# Altium PCB Communication_Subsystem_ATmega2560AU.PcbDoc (part 1 of 2) (continued)
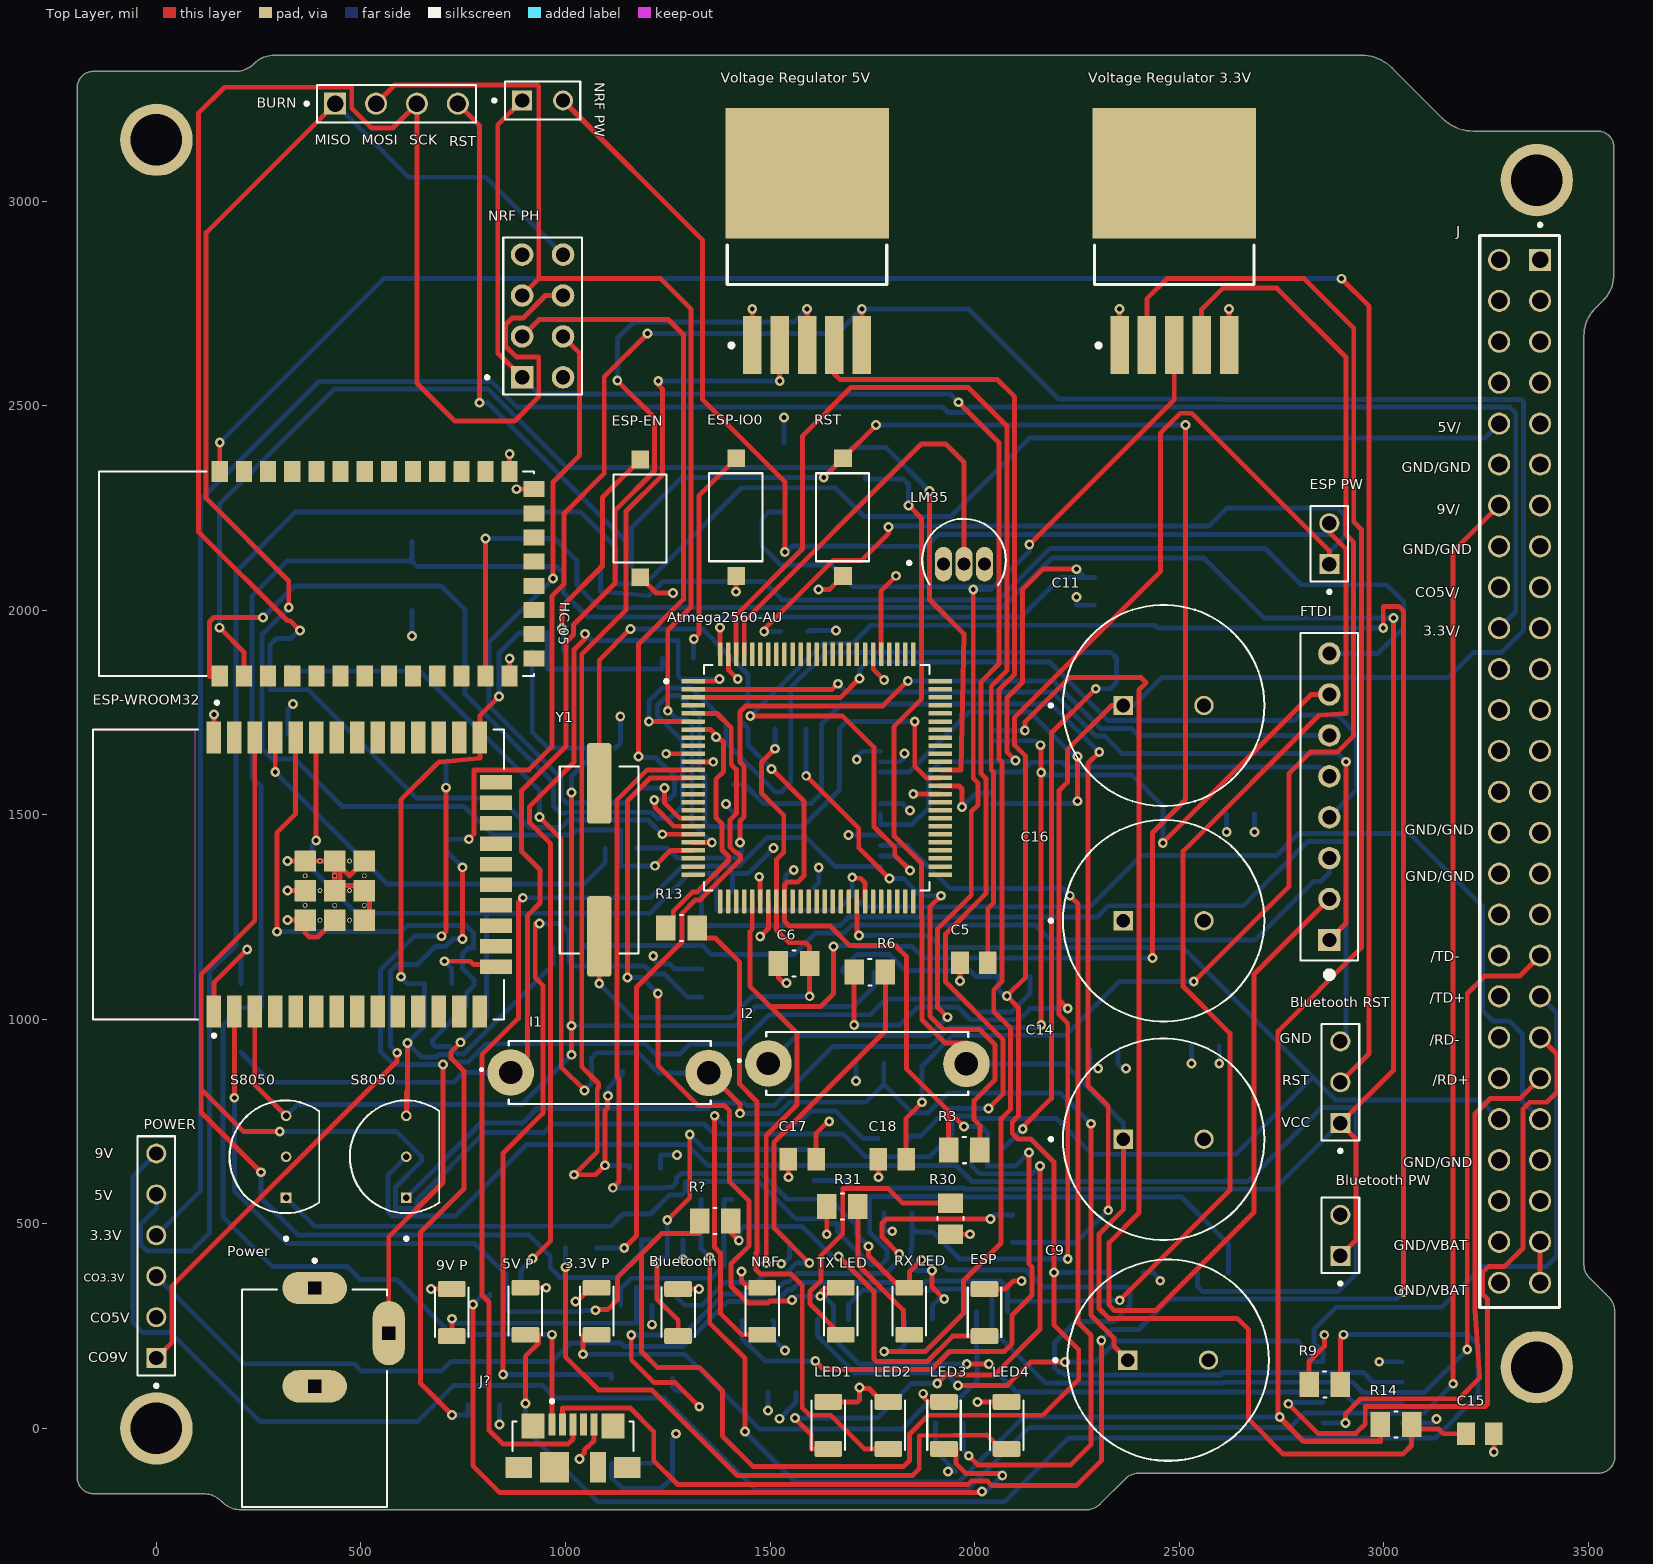
[diagram p0: Top Layer view]
## Components (designator, comment, footprint, x,y, rotation, side; value= is the part's Value field where it differs from the comment) (continued)
BURN "4 Position PinHeader 1Row" TE_3-644456-4 437,3238 r0 top
C4 "(1206) 22pF" CAPC3216X125N0 1124,2110 r180 bottom
C5 "(0805) 100nF" CAPC2012X95N-0 1998,1138 r0 top
C6 "(1206) 22pF" CAPC3216X125N0 1558,1138 r0 top
C7 "(1206) 22pF" CAPC3216X125N0 1469,266 r180 bottom
C8 "(0805) 100nF" CAPC2012X95N-0 1572,1321 r180 bottom
C9 "330uF" CAPPRD500W60D1250H2500 2473,167 r0 top
C10 "(0805) 1uF" CAPC2012X95N-0 1744,893 r180 bottom
C11 "220uF" CAPPRD500W60D1250H2500 2462,1767 r0 top
C12 "(0805) 1uF" CAPC2012X95N-0 1812.69,526.18 r180 bottom
C13 "(0805) 1uF" CAPC2012X95N-0 1863,267 r180 bottom
C14 "330uF" CAPPRD500W60D1250H2500 2462,707 r0 top
C15 "(0805) 1uF" CAPC2012X95N-0 3235,-13 r0 top
C16 "220uF" CAPPRD500W60D1250H2500 2462,1241 r0 top
C17 "(0805) 1uF" CAPC2012X95N-0 1578.69,658.18 r0 top
C18 "(0805) 1uF" CAPC2012X95N-0 1798.69,658.18 r0 top
C70 "(0805) 10nF" CAPC2012X95N-0 2293,2046 r90 bottom
C71 "(0805) 100nF" CAPC2012X95N-0 1938.02,13 r180 bottom
C? "Cap_CER_1U_10V_0603" "0603 - cap" 1121.93,1663 r180 bottom
C? "Cap_CER_1U_10V_0603" "0603 - cap" 1592.93,1948 r180 bottom
C? "(0805) 100nF" CAPC2012X95N-0 1529.02,88 r180 bottom
C? "(0805) 100nF" CAPC2012X95N-0 2316.02,924 r180 bottom
C? "(0805) 100nF" CAPC2012X95N-0 2650,1502 r180 bottom
C? "Cap_CER_1U_10V_0603" "0603 - cap" 722,1087 r180 bottom
C? "Cap_CER_1U_10V_0603" "0603 - cap" 2413,381 r180 bottom
C? "(0805) 100nF" CAPC2012X95N-0 2564,936 r180 bottom
D1 "SMD Schottky diode 5A/40V" DIOM5227X270N 322,1780 r90 bottom
D2 "SMD Schottky diode 5A/40V" DIOM5227X270N 708,1545.25 r90 bottom
D3 "SMD Schottky diode 5A/40V" DIOM5227X270N 207,1003 r90 bottom
D4 "SMD Schottky diode 5A/40V" DIOM5227X270N 1733,2241 r90 bottom
D5 "SMD Schottky diode 5A/40V" DIOM5227X270N 1534,2324 r90 bottom
D7 "SMD Schottky diode 5A/40V" DIOM5227X270N 625,2084 r90 bottom
ESP "(1206) YELLOW" RESC3015X65-01 2024,284 r90 top
"ESP PW" "2 Position PinHeader" TE_2-103327-2 2867.71,2160.78 r90 top
ESP-EN "Tact-Switch" "Tact Switch" 1183,2080.6 r90 top
ESP-IO0 "Tact-Switch" "Tact Switch" 1417.15,2083.6 r90 top
ESP-WROOM32 "ESP32-WROOM-32" MODULE_ESP32-WROOM-32 347.72,1354 r90 top
FTDI "8 Position PinHeader 1Row" TE_5-534237-6 2867,1544 r90 top
FTDI232RL "IC_FT232RL" SSOP-28 1906,1540 r180 bottom
HC-05 "HC-05" XCVR_HC-05 404,2089 r90 top
I1 "47uH" IND 1067.2,2725 r0 top
I2 "47uH" IND 1697.09,2747 r0 top
J "52 Position Elevated Socket Connector" SAMTEC_ESQ-126-39-G-D 3382.01,2855.98 r90 top locked
J? "USB Connectors MICRO USB B" MOLEX_47346-0001 1018.28,-95 r0 top
LED1 "(1206) Yellow" RESC3015X65-01 1641.91,8.21 r90 top
LED2 "(1206) Yellow" RESC3015X65-01 1789,8.21 r90 top
LED3 "(1206) Green" RESC3015X65-01 1925,8.21 r90 top
LED4 "(1206) Green" RESC3015X65-01 2077.86,8.21 r90 top
LM35 "Temperature Sensor" TO92127P521H735-4 1974,2143 r0 top
NRF "(1206) YELLOW" RESC3015X65-01 1481,287.25 r90 top
"NRF PH" "8 Position PinHeader 2Row" TE_8-146256-8 944,2719 r90 top locked
"NRF PW" "2 Position PinHeader" TE_2-103327-2 942.29,3245 r0 top
POWER "6 Position PinHeader 1Row" TE_6-146285-6 0,172.02 r90 top
Power "Power Socket" GRAVITECH_CON-SOCJ-2155 387,103 r90 top
R1 "(1206) 10K" CAPC3216X125N0 1509.91,452 r180 bottom
R2 "(1206) 510K" CAPC3216X125N0 1550.91,1711 r180 bottom
R3 "(1206) 510K" CAPC3216X125N0 1974,682 r0 top
R4 "(1206) 10K" CAPC3216X125N0 1250,462 r180 bottom
R5 "(1206) 10K" CAPC3216X125N0 801,59 r180 bottom
R6 "(1206) 300" CAPC3216X125N0 1743,1117 r0 top
R7 "(1206) 120" CAPC3216X125N0 1654.6,268.18 r180 bottom
R8 "(1206) 10K" CAPC3216X125N0 1102,876 r180 bottom
R9 "(1206) 150" CAPC3216X125N0 2855,109 r0 top
R10 "(1206) 85" CAPC3216X125N0 2043,288 r180 bottom
R11 "(1206) 3.3K" CAPC3216X125N0 1194.91,638 r180 bottom
R12 "(1206) 150" CAPC3216X125N0 2031,687 r180 bottom
R13 "(1206) 150" CAPC3216X125N0 1283,1225 r0 top
R14 "(1206) 10K" CAPC3216X125N0 3029,12 r0 top
R15 "(1206) 150" CAPC3216X125N0 853.84,330.87 r180 bottom
R16 "(1206) 5.6K" CAPC3216X125N0 1370,562 r180 bottom
R17 "(1206) 150" CAPC3216X125N0 1038.6,443.18 r180 bottom
R18 "(1206) 330" CAPC3216X125N0 1174,303 r180 bottom
R21 "(1206) 65" CAPC3216X125N0 1802.6,710.18 r180 bottom
R22 "(1206) 150" CAPC3216X125N0 1609,643 r90 bottom
R25 "(0805) 100K" CAPC2012X95N-0 1333,1089 r90 bottom
R26 "(0805) 1K" CAPC2012X95N-0 2093,488 r90 bottom
R27 "(0805) 1K" CAPC2012X95N-0 1410,1540 r90 bottom
R30 "(1206) 150" CAPC3216X125N0 1939,512 r90 top
R31 "(1206) 85" CAPC3216X125N0 1676.02,544 r0 top
R35 "(1206) 10K" CAPC3216X125N0 1371,1314 r180 bottom
R? "(1206) 65" CAPC3216X125N0 1365,509 r0 top
R? "(1206) 12K" CAPC3216X125N0 2583.59,382.87 r180 bottom
R? "(1206) 220" CAPC3216X125N0 957.59,1901.87 r180 bottom
R? "(1206) 10K" CAPC3216X125N0 2097.59,1106.87 r180 bottom
R? "(1206) 470" CAPC3216X125N0 1009,1179 r180 bottom
R? "(1206) 12K" CAPC3216X125N0 2422.59,1480.87 r180 bottom
R? "(1206) 220" CAPC3216X125N0 1275.84,1883.87 r180 bottom
R? "(1206) 10K" CAPC3216X125N0 1717,1117 r180 bottom
R? "(1206) 470" CAPC3216X125N0 1136,1421 r180 bottom
RS "MAX488ESA+" SOIC127P600X175-8N0 2948,88 r180 bottom
RST "Tact-Switch" "Tact Switch" 1678.16,2083.6 r90 top
"RX LED" "(1206) Blue" RESC3015X65-01 1840.39,287.25 r90 top
S8050 "S8050 Transistor" S8050-Transistor 317,614 r90 top
S8050 "S8050 Transistor" S8050-Transistor 611,614 r90 top
"TX LED" "(1206) Green" RESC3015X65-01 1673,287.25 r90 top
"Voltage Regulator 3.3V" "Voltage Regulator" TO-263-5 2488,2902 r90 top
"Voltage Regulator 5V" "Voltage Regulator" TO-263-5 1590.38,2902 r90 top
"Voltage-Current Sensor" "MAX471 IC" SOIC127P600X168-8N 1187,18.54 r90 bottom
Y1 "16MHz" XTAL1140X490X430N-0 1084,1390 r90 top

## Footprints (in the part's own frame and the unit in brackets; to place one, negate y for a bottom-side part, rotate by r counter-clockwise, add the part's x,y. Pads: shape width x height; smd on the part's side, far side on the other; paste and mask are expansions set on the pad)
"0603 - cap" [mm]
  rect 1.2x1.1 smd: 1(0,0) 2(1.7,0)
  silkscreen extent 0.84,-0.69 0.84,0.66, body extent 0.04,-0.43 1.64,0.37, height 0.8
CAPC2012X95N-0 [mm]
  rect 1.1x1.38 smd: 1(-0.863,0) 2(0.863,0)
  body extent -1.6,-0.8 1.6,0.8, height 1.2
CAPC3216X125N0 [mm]
  rect 1.21x1.55 smd: 1(-0.95,-0.048) 2(0.987,-0.048)
  silkscreen extent -0.08,-0.86 0.12,0.76, body extent -1.58,-0.84 1.62,0.76, height 1.25
CAPPRD500W60D1250H2500 [mm]
  round 1.2 hole 0.85: N(2.5,0)
  rect 1.2x1.2 hole 0.85: P(-2.5,0)
  silkscreen extent -7.1,-6.25 6.25,6.25, body extent -6.25,-6.25 6.25,6.25, height 25
DIOM5227X270N [mm]
  rect 2.33x1.56 smd: A(2.14,0) C(-2.14,0)
  silkscreen extent -3.85,-1.48 2.8,1.48, body extent -2.6,-1.36 2.6,1.36, height 2.7
GRAVITECH_CON-SOCJ-2155 [mm]
  oval 2x4 hole 0.8 square: 1(6.1,0) 3(0,0)
  oval 4x2 hole 0.8 square: 2(3.3,-4.6)
  silkscreen extent -7.5,-4.5 7.9,4.5, body extent -7.56,-4.57 6.54,4.68, height 11.1
IND [mil]
  round 114 hole 57: 1(-201.2,-1855) 2(282.8,-1856)
  silkscreen extent -275,-1932 288,-1778, body extent -172,-1912 253,-1794, height 118
MODULE_ESP32-WROOM-32 [mm]
  rect 2x0.9 smd: 1(-8.5,5.26) 2(-8.5,3.99) 3(-8.5,2.72) 4(-8.5,1.45) 5(-8.5,0.18) 6(-8.5,-1.09) 7(-8.5,-2.36) 8(-8.5,-3.63) 9(-8.5,-4.9) 10(-8.5,-6.17) 11(-8.5,-7.44) 12(-8.5,-8.71) 13(-8.5,-9.98) 14(-8.5,-11.25) 25(8.5,-11.25) 26(8.5,-9.98) 27(8.5,-8.71) 28(8.5,-7.44) 29(8.5,-6.17) 30(8.5,-4.9) 31(8.5,-3.63) 32(8.5,-2.36) 33(8.5,-1.09) 34(8.5,0.18) 35(8.5,1.45) 36(8.5,2.72) 37(8.5,3.99) 38(8.5,5.26)
  rect 0.9x2 smd: 15(-5.715,-12.25) 16(-4.445,-12.25) 17(-3.175,-12.25) 18(-1.905,-12.25) 19(-0.635,-12.25) 20(0.635,-12.25) 21(1.905,-12.25) 22(3.175,-12.25) 23(4.445,-12.25) 24(5.715,-12.25)
  rect 1.33x1.33 smd: 39_1(-2.835,-0.405) 39_2(-1,-0.405) 39_3(0.835,-0.405) 39_4(-2.835,-2.24) 39_5(-1,-2.24) 39_6(0.835,-2.24) 39_7(-2.835,-4.075) 39_8(-1,-4.075) 39_9(0.835,-4.075)
  round 0.3 hole 0.2: 39_10(-1.918,-0.405) 39_11(-0.083,-0.405) 39_12(-2.835,-1.322) 39_13(-1,-1.322) 39_14(0.835,-1.322) 39_15(-1.918,-2.24) 39_16(-0.083,-2.24) 39_17(-2.835,-3.157) 39_18(-1,-3.157) 39_19(0.835,-3.157) 39_20(-1.918,-4.075) 39_21(-0.083,-4.075)
  Keep-Out Layer region: 9,6.45 -9,6.45 -9,12.75 9,12.75
  Keep-Out Layer region: 9,6.45 -9,6.45 -9,12.75 9,12.75
  silkscreen extent -10.1,-12.75 9,12.75, body extent -9,-12.75 9,12.75, height 3.21
MOLEX_47346-0001 [mm]
  rect 0.45x1.38 smd: 1(-1.3,2.66) 2(-0.65,2.66) 3(0,2.66) 4(0.65,2.66) 5(1.3,2.66)
  rect 1.425x1.55 smd: S1(-2.487,2.575) S2(2.488,2.575)
  rect 1.65x1.3 smd: S3(-3.375,0) S6(3.375,0)
  rect 1.8x1.9 smd: S4(-1.15,0)
  rect 1x1.9 smd: S5(1.55,0)
  silkscreen extent -3.75,1 3.75,4.2, body extent -4.18,-2.54 4.18,2.89, height 2.62
QFP50P1600X1600X120-100N [mm]
  rrect25% 1.47x0.28 smd mask+0.05: 1(-7.67,6) 2(-7.67,5.5) 3(-7.67,5) 4(-7.67,4.5) 5(-7.67,4) 6(-7.67,3.5) 7(-7.67,3) 8(-7.67,2.5) 9(-7.67,2) 10(-7.67,1.5) 11(-7.67,1) 12(-7.67,0.5) 13(-7.67,0) 14(-7.67,-0.5) 15(-7.67,-1) 16(-7.67,-1.5) 17(-7.67,-2) 18(-7.67,-2.5) 19(-7.67,-3) 20(-7.67,-3.5) 21(-7.67,-4) 22(-7.67,-4.5) 23(-7.67,-5) 24(-7.67,-5.5) 25(-7.67,-6) 51(7.67,-6) 52(7.67,-5.5) 53(7.67,-5) 54(7.67,-4.5) 55(7.67,-4) 56(7.67,-3.5) 57(7.67,-3) 58(7.67,-2.5) 59(7.67,-2) 60(7.67,-1.5) 61(7.67,-1) 62(7.67,-0.5) 63(7.67,0) 64(7.67,0.5) 65(7.67,1) 66(7.67,1.5) 67(7.67,2) 68(7.67,2.5) 69(7.67,3) 70(7.67,3.5) 71(7.67,4) 72(7.67,4.5) 73(7.67,5) 74(7.67,5.5) 75(7.67,6)
  rrect25% 0.28x1.47 smd mask+0.05: 26(-6,-7.67) 27(-5.5,-7.67) 28(-5,-7.67) 29(-4.5,-7.67) 30(-4,-7.67) 31(-3.5,-7.67) 32(-3,-7.67) 33(-2.5,-7.67) 34(-2,-7.67) 35(-1.5,-7.67) 36(-1,-7.67) 37(-0.5,-7.67) 38(0,-7.67) 39(0.5,-7.67) 40(1,-7.67) 41(1.5,-7.67) 42(2,-7.67) 43(2.5,-7.67) 44(3,-7.67) 45(3.5,-7.67) 46(4,-7.67) 47(4.5,-7.67) 48(5,-7.67) 49(5.5,-7.67) 50(6,-7.67) 76(6,7.67) 77(5.5,7.67) 78(5,7.67) 79(4.5,7.67) 80(4,7.67) 81(3.5,7.67) 82(3,7.67) 83(2.5,7.67) 84(2,7.67) 85(1.5,7.67) 86(1,7.67) 87(0.5,7.67) 88(0,7.67) 89(-0.5,7.67) 90(-1,7.67) 91(-1.5,7.67) 92(-2,7.67) 93(-2.5,7.67) 94(-3,7.67) 95(-3.5,7.67) 96(-4,7.67) 97(-4.5,7.67) 98(-5,7.67) 99(-5.5,7.67) 100(-6,7.67)
  silkscreen extent -9.44,-7 7,7, body extent -8,-8 8,8, height 1.12
RESC3015X65-01 [mm]
  rrect20% 0.98x1.72 smd: 1(-1.479,-0.004) 2(1.441,-0.004)
  silkscreen extent -1.54,-1.04 1.52,1.04, body extent -1.63,-0.8 1.57,0.8, height 1.1
S8050-Transistor [mil] "NPN Transistor"
  rect 25.91x25.91 hole 15.75: 1(-50,0)
  round 25.91 hole 15.75: 2(50,0) 3(150,0)
  silkscreen extent -154,-81 188,138, body extent -43,-61 146,94, height 226
SAMTEC_ESQ-126-39-G-D [mm]
  rect 1.37x1.37 hole 1.02: 01(0,0)
  round 1.37 hole 1.02: 02(0,2.54) 03(-2.54,0) 04(-2.54,2.54) 05(-5.08,0) 06(-5.08,2.54) 07(-7.62,0) 08(-7.62,2.54) 09(-10.16,0) 10(-10.16,2.54) 11(-12.7,0) 12(-12.7,2.54) 13(-15.24,0) 14(-15.24,2.54) 15(-17.78,0) 16(-17.78,2.54) 17(-20.32,0) 18(-20.32,2.54) 19(-22.86,0) 20(-22.86,2.54) 21(-25.4,0) 22(-25.4,2.54) 23(-27.94,0) 24(-27.94,2.54) 25(-30.48,0) 26(-30.48,2.54) 27(-33.02,0) 28(-33.02,2.54) 29(-35.56,0) 30(-35.56,2.54) 31(-38.1,0) 32(-38.1,2.54) 33(-40.64,0) 34(-40.64,2.54) 35(-43.18,0) 36(-43.18,2.54) 37(-45.72,0) 38(-45.72,2.54) 39(-48.26,0) 40(-48.26,2.54) 41(-50.8,0) 42(-50.8,2.54) 43(-53.34,0) 44(-53.34,2.54) 45(-55.88,0) 46(-55.88,2.54) 47(-58.42,0) 48(-58.42,2.54) 49(-60.96,0) 50(-60.96,2.54) 51(-63.5,0) 52(-63.5,2.54)
  silkscreen extent -65.02,-1.21 2.27,3.75, body extent -65.15,-1.27 1.4,3.81, height 8.51
SOIC127P600X168-8N [mm]
  rrect25% 1.66x0.59 smd: 1(-2.63,1.905) 2(-2.63,0.635) 3(-2.63,-0.635) 4(-2.63,-1.905) 5(2.63,-1.905) 6(2.63,-0.635) 7(2.63,0.635) 8(2.63,1.905)
  rect 2.135x2.135 smd paste-2: 9(0,0)
  silkscreen extent -4.39,-2.52 1.99,2.59, body extent -3,-2.45 3,2.45, height 1.75
SOIC127P600X175-8N0 [mil]
  rect 78x21 smd: 1(-97,75) 2(-97,25) 3(-97,-25) 4(-97,-75) 5(97,-75) 6(97,-25) 7(97,25) 8(97,75)
  silkscreen extent -55,-98 55,98, body extent -124,-97 113,95, height 67
SSOP-28 [mm] "28-Pin SSOP 0.65 mm Pitch"
  oval 2.1x0.4 smd: 1(-3.45,4.225) 2(-3.45,3.575) 3(-3.45,2.925) 4(-3.45,2.275) 5(-3.45,1.625) 6(-3.45,0.975) 7(-3.45,0.325) 8(-3.45,-0.325) 9(-3.45,-0.975) 10(-3.45,-1.625) 11(-3.45,-2.275) 12(-3.45,-2.925) 13(-3.45,-3.575) 14(-3.45,-4.225) 15(3.45,-4.225) 16(3.45,-3.575) 17(3.45,-2.925) 18(3.45,-2.275) 19(3.45,-1.625) 20(3.45,-0.975) 21(3.45,-0.325) 22(3.45,0.325) 23(3.45,0.975) 24(3.45,1.625) 25(3.45,2.275) 26(3.45,2.925) 27(3.45,3.575) 28(3.45,4.225)
  silkscreen extent -3.57,-5.3 2,5.3, body extent -2.7,-5.3 2.7,5.3, height 2
"Tact Switch" [mm] "High Quality 3x6x2.7 mm SMD White Push Button Switch (Tact Switch)"
  rect 1.1x1.1 smd: 1(0,0) 2(7.3,0)
  silkscreen extent 0.91,-1.63 6.38,1.68, body extent -1.35,-1.72 8.62,1.78, height 4
TE_2-103327-2 [mm]
  rect 1.24x1.24 hole 0.89: 1(-1.227,0.018)
  round 1.24 hole 0.89: 2(1.313,0.018)
  silkscreen extent -3.05,-1.15 2.38,1.19, body extent -2.32,-1.11 2.36,1.22, height 5.84
TE_3-103327-3 [mm]
  rect 1.24x1.24 hole 0.89: 1(0,0)
  round 1.24 hole 0.89: 2(2.54,0) 3(5.08,0)
  silkscreen extent -1.82,-1.17 6.15,1.17, body extent -1.31,-1.2 6.31,1.21, height 8.18
TE_3-644456-4 [mm]
  rect 1.37x1.37 hole 1.02: 1(0,0)
  round 1.37 hole 1.02: 2(2.54,0) 3(5.08,0) 4(7.62,0)
  silkscreen extent -1.87,-1.17 8.74,1.17, body extent -1.14,-1.14 8.72,1.19, height 10.03
TE_5-534237-6 [mil]
  rect 54.65x54.65 hole 34.65: 1(-350,0)
  round 54.65 hole 34.65: 2(-250,0) 3(-150,0) 4(-50,0) 5(50,0) 6(150,0) 7(250,0) 8(350,0)
  silkscreen extent -443,-70 400,70, body extent -400,-70 400,70, height 327
TE_6-146285-6 [mm]
  rect 1.24x1.24 hole 0.89: 1(0,0)
  round 1.24 hole 0.89: 2(2.54,0) 3(5.08,0) 4(7.62,0) 5(10.16,0) 6(12.7,0)
  silkscreen extent -1.82,-1.17 13.77,1.17, body extent -1.07,-1.14 13.77,1.14, height 8.1
TE_8-146256-8 [mil]
  rect 55.04x55.04 hole 35.04: 1(-150,50)
  round 55.04 hole 35.04: 2(-50,50) 3(50,50) 4(150,50) 5(-150,-50) 6(-50,-50) 7(50,-50) 8(150,-50)
  silkscreen extent -192,-96 192,139, body extent -200,-101 200,99, height 330
TO92127P521H735-4 [mm]
  oval 1.07x2.14 hole 0.8 mask+0.05: 1(-1.27,-0.775) 2(0,-0.775) 3(1.27,-0.775)
  silkscreen extent -3.5,-2.08 2.6,2.04, body extent -2.4,-2.29 2.39,1.64, height 5.69
TO-263-5 [mm] "D2-PAK, 6-Pads, Body 8,9x9,9mm (max), IPC Low Density"
  rect 3.6x1.15 smd: 1(-6.45,3.4) 2(-6.45,1.7) 3(-6.45,0) 4(-6.45,-1.7) 5(-6.45,-3.4)
  rect 8.1x10.15 smd paste-5: 6(4.2,0)
  silkscreen extent -6.6,-4.95 -0.25,4.95, body extent -7.31,-5.08 7.33,5.08, height 4.57
XCVR_HC-05 [mm]
  rect 1.3x1 smd: 1(-6.35,6.325) 2(-6.35,4.825) 3(-6.35,3.325) 4(-6.35,1.825) 5(-6.35,0.325) 6(-6.35,-1.175) 7(-6.35,-2.675) 8(-6.35,-4.175) 9(-6.35,-5.675) 10(-6.35,-7.175) 11(-6.35,-8.675) 12(-6.35,-10.175) 13(-6.35,-11.675) 22(6.35,-11.675) 23(6.35,-10.175) 24(6.35,-8.675) 25(6.35,-7.175) 26(6.35,-5.675) 27(6.35,-4.175) 28(6.35,-2.675) 29(6.35,-1.175) 30(6.35,0.325) 31(6.35,1.825) 32(6.35,3.325) 33(6.35,4.825) 34(6.35,6.325)
  rect 1x1.3 smd: 14(-5.25,-13.175) 15(-3.75,-13.175) 16(-2.25,-13.175) 17(-0.75,-13.175) 18(0.75,-13.175) 19(2.25,-13.175) 20(3.75,-13.175) 21(5.25,-13.175)
  silkscreen extent -8.1,-13.18 6.35,13.82, body extent -6.5,-13.45 6.5,13.45, height 2.15
XTAL1140X490X430N-0 [mm]
  rrect25% 5.01x1.51 smd: 1(-4.757,0.04) 2(4.743,0.04)
  silkscreen extent -5.81,-2.41 5.79,2.49, body extent -6.62,-2.35 6.58,2.45, height 4.3

## Part data
"3.3V P" "5V P" "9V P" Bluetooth ESP LED1 LED2 LED3 LED4 NRF "RX LED" "TX LED": library part "LED 1206", "LED SMD 1206 High Quality Forward Voltage: 3.2 V / Brightness: 700 mcd", Emitting Color=Amber, Forward Voltage=2V, Manufacturer="Wurth Elektronik", Manufacturer Part Number=150060AS75003, Operating Temperature max.=100C, Operating Temperature min.=-40C, Chip Technology=AlInGaP, ComponentLink1Description="Manufacturer Link", ComponentLink1URL=http://www.we-online.de, ComponentLink2Description=Datasheet, ComponentLink2URL=https://www.we-online.com/catalog/datasheet/150060AS75003.pdf, Dominant Wavelength=605nm, Height=0.7mm, Length=1.6mm, Luminous Intensity=350mcd, Mounting Technology=SMT, Packaging="Tape and Reel", Peak Wavelength=610nm, Size=0603, Viewing Angle=140°, Width=0.8mm
Atmega2560-AU: library part ATMEGA2560-16AU, Package=None, Availability=Unavailable, MP=ATMEGA2560-16AU, Price=None
"Bluetooth PW" "ESP PW" "NRF PW": "Cabezal del conector Agujero pasante 2 posiciones 0,100 (2,54 mm)", Package=None, Availability=Warning, Check_prices=https://www.snapeda.com/parts/4-103327-4/TE%20Connectivity%20AMP%20Connectors/view-part/2403998/?ref=eda, EU_RoHS_Compliance=Compliant, MF="TE Connectivity", MP=4-103327-4, Price=None, Purchase-URL=https://pricing.snapeda.com/search/part/4-103327-4/?ref=eda, SnapEDA_Link=https://www.snapeda.com/parts/4-103327-4/TE%20Connectivity%20AMP%20Connectors/view-part/2403998/?ref=snap
"Bluetooth RST": "Conn Unshrouded Header HDR 3 POS 2.54mm Solder ST Thru-Hole Carton", Package=None, Availability=Unavailable, EU_RoHS_Compliance=Compliant, MF="TE Connectivity", MP=4-103327-5, Price=None, SnapEDA_Link=https://www.snapeda.com/parts/4-103327-5/TE%20Connectivity%20AMP%20Connectors/view-part/2403997/?ref=snap, TE_purchase_URL=https://www.te.com/usa-en/product-4-103327-5.html?te_bu=Cor&te_type=disp&te_campaign=seda_glo_cor-seda-global-disp-prtnr-fy19-seda-model-bom-cta_sma-317_1&elqCampaignId=32493
BURN: "Conn Unshrouded Header HDR 4 POS 2.54mm Solder ST Thru-Hole Bag/Box", Package=None, Availability=Warning, Centerline_Pitch="2.54 mm[.1 in]", DigiKey-Purchase-URL=https://snapeda.com/shop?store=DigiKey&id=482664, EU_RoHS_Compliance=Compliant, MF="TE Connectivity", Mouser-Purchase-URL=https://snapeda.com/shop?store=Mouser&id=482664, MP=3-644456-4, Number_of_Positions=4, Price=None, Product_Type=Connector, SnapEDA_Link=https://www.snapeda.com/parts/3-644456-4/TE%20Connectivity%20AMP%20Connectors/view-part/482664/?ref=snap
C4 C6 C7: library part "Capacitor 1206", "UMF316B7103KFHT/1206 Capacitor", Package=None, Availability=Unavailable, MP=UMF316B7103KFHT, Price=None
C5 C8 C10 C12 C13 C15 C17 C18 C70 C71 C? C? C? C?: library part "Capacitor 0805", "UMK212SD103KD-T/CAP CER 10000PF 50V 0805", Package=None, Availability=Unavailable, MP=UMK212SD103KD-T, Price=None
C9 C11 C14 C16: library part "Aluminum Electrolytic Capacitor", "Aluminum Electrolytic Capacitors - Radial Leaded 47uF 250volts AEC-Q200", Package="RADIAL-2 Panasonic", Availability="In Stock", Check_prices=https://www.snapeda.com/parts/EEUEB2E470B/Panasonic/view-part/?ref=eda, MF=Panasonic, MP=EEUEB2E470B, Price=None, SnapEDA_Link=https://www.snapeda.com/parts/EEUEB2E470B/Panasonic/view-part/?ref=snap
C? C?: library part "Capacitor 0603", "Capacitor", Capacitance=1nF, Manufacturer="Taiyo Yuden", Manufacturer Part Number=LMK107B7105KA-T, Operating Temperature="-55°C ~ 125°C", Package / Case="0603 (1608 Metric)", Ratings=-, Supplier Part Number 1=587-1242-1-ND, Temperature Coefficient=X7R, Tolerance=±10%, Voltage - Rated=10V, Applications="General Purpose", Category=Capacitors, ComponentLink1Description=http://ds.yuden.co.jp/TYCOMPAS/ut/detail.do?productNo=LMK107B7105KA-T&fileName=LMK107B7105KA-T_SS&mode=specSheetDownload, ComponentLink1URL=http://ds.yuden.co.jp/TYCOMPAS/ut/detail.do?productNo=LMK107B7105KA-T&fileName=LMK107B7105KA-T_SS&mode=specSheetDownload, Features=-, Height - Seated (Max)=-, Lead Spacing=-, Lead Style=-, Mounting Type="Surface Mount, MLCC", Packaging="Cut Tape (CT)", Part Status=Active, Pricing 1="1=0.1, 10=0.042, 25=0.0308, 50=0.023, 100=0.0188, 250=0.01576, 500=0.01344, 1000=0.01056 (USD)", RoHS="RoHS Compliant", Size / Dimension="0.063\" L x 0.031\" W (1.60mm x 0.80mm)", Stock 1=600713, Supplier 1=Digi-Key, Thickness (Max)="0.035\" (0.90mm)"
C?: library part "Capacitor 0603", "Capacitor", Capacitance=1µF, Manufacturer="Taiyo Yuden", Manufacturer Part Number=LMK107B7105KA-T, Operating Temperature="-55°C ~ 125°C", Package / Case="0603 (1608 Metric)", Ratings=-, Supplier Part Number 1=587-1242-1-ND, Temperature Coefficient=X7R, Tolerance=±10%, Voltage - Rated=10V, Applications="General Purpose", Category=Capacitors, ComponentLink1Description=http://ds.yuden.co.jp/TYCOMPAS/ut/detail.do?productNo=LMK107B7105KA-T&fileName=LMK107B7105KA-T_SS&mode=specSheetDownload, ComponentLink1URL=http://ds.yuden.co.jp/TYCOMPAS/ut/detail.do?productNo=LMK107B7105KA-T&fileName=LMK107B7105KA-T_SS&mode=specSheetDownload, Features=-, Height - Seated (Max)=-, Lead Spacing=-, Lead Style=-, Mounting Type="Surface Mount, MLCC", Packaging="Cut Tape (CT)", Part Status=Active, Pricing 1="1=0.1, 10=0.042, 25=0.0308, 50=0.023, 100=0.0188, 250=0.01576, 500=0.01344, 1000=0.01056 (USD)", RoHS="RoHS Compliant", Size / Dimension="0.063\" L x 0.031\" W (1.60mm x 0.80mm)", Stock 1=600713, Supplier 1=Digi-Key, Thickness (Max)="0.035\" (0.90mm)"
C?: library part "Capacitor 0603", "Capacitor", Capacitance=10µF, Manufacturer="Taiyo Yuden", Manufacturer Part Number=LMK107B7105KA-T, Operating Temperature="-55°C ~ 125°C", Package / Case="0603 (1608 Metric)", Ratings=-, Supplier Part Number 1=587-1242-1-ND, Temperature Coefficient=X7R, Tolerance=±10%, Voltage - Rated=10V, Applications="General Purpose", Category=Capacitors, ComponentLink1Description=http://ds.yuden.co.jp/TYCOMPAS/ut/detail.do?productNo=LMK107B7105KA-T&fileName=LMK107B7105KA-T_SS&mode=specSheetDownload, ComponentLink1URL=http://ds.yuden.co.jp/TYCOMPAS/ut/detail.do?productNo=LMK107B7105KA-T&fileName=LMK107B7105KA-T_SS&mode=specSheetDownload, Features=-, Height - Seated (Max)=-, Lead Spacing=-, Lead Style=-, Mounting Type="Surface Mount, MLCC", Packaging="Cut Tape (CT)", Part Status=Active, Pricing 1="1=0.1, 10=0.042, 25=0.0308, 50=0.023, 100=0.0188, 250=0.01576, 500=0.01344, 1000=0.01056 (USD)", RoHS="RoHS Compliant", Size / Dimension="0.063\" L x 0.031\" W (1.60mm x 0.80mm)", Stock 1=600713, Supplier 1=Digi-Key, Thickness (Max)="0.035\" (0.90mm)"
D1 D2 D3 D4 D5 D7: "S1 Series 1000 V 1 A 1 uA Surface Mount General Purpose Rectifier - DO-214AC", Package=None, Availability=Unavailable, MP=S1M, Price=None
ESP-EN ESP-IO0 RST: "High Quality 3x6x2.7 mm SMD White Push Button Switch (Tact Switch)", Package=None, Availability=Unavailable, MP=1437566-3, Price=None
ESP-WROOM32: Package=None, Availability=Unavailable, MP=ESP32-WROOM-32, Price=None
FTDI: "Connector Socket Strip Receptacle 8 Position 2.54mm Solder Straight Through Hole", Package=None, Availability="In Stock", Centerline_Pitch=2.54, Check_prices=https://www.snapeda.com/parts/5-534237-6/TE+Connectivity+AMP+Connectors/view-part/?ref=eda, EU_RoHS_Compliance=Compliant, MF="TE Connectivity", MP=5-534237-6, Number_of_Positions=8, Price=None, Product_Type=Connector, Purchase-URL=https://pricing.snapeda.com/search/part/5-534237-6/?ref=eda, SnapEDA_Link=https://www.snapeda.com/parts/5-534237-6/TE+Connectivity+AMP+Connectors/view-part/?ref=snap
FTDI232RL: "FT232R USB UART"
HC-05: "Bluetooth to Serial Port Module", Package=None, Availability=Unavailable, MP=HC-05, Price=None
I1 I2: library part "Inductor DIP"
J: "ESQ-126-39-G-D/52 Position Elevated Socket Connector Through Hole", Package=None, Availability=Unavailable, MF=Samtec, MP=ESQ-126-39-G-D, Price=None, SnapEDA_Link=https://www.snapeda.com/parts/ESQ-126-39-G-D/Samtec%20Inc./view-part/490181/?ref=snap
J?: "USB Connectors MICRO USB B RECPT BTTM MOUNT ASSY", Package=None, Availability=Warning, Check_prices=https://www.snapeda.com/parts/47346-0001/Molex/view-part/53503/?ref=eda, MF=Molex, MP=47346-0001, Price=None, Purchase-URL=https://pricing.snapeda.com/search/part/47346-0001/?ref=eda, SnapEDA_Link=https://www.snapeda.com/parts/47346-0001/Molex/view-part/53503/?ref=snap
LM35: library part "LM35DZ/NOPB/Temperature Sensor", "LM35DZ/NOPB/Temperature Sensor Analog, Local 0Â°C ~ 100Â°C 10mV/Â°C TO-92-3", Package="E-PKG AXIAL-LEADED-2 ON Semiconductor", Availability="Not in stock", Check_prices=https://www.snapeda.com/parts/LM35DZ/Texas+Instruments/view-part/?ref=eda, MF="Texas Instruments", MP=LM35DZ, Price=None, SnapEDA_Link=https://www.snapeda.com/parts/LM35DZ/Texas+Instruments/view-part/?ref=snap
"NRF PH": "08 MODII HDR DRST B/A .100CL LF", Package=None, Availability=Unavailable, MF="TE Connectivity", MP=5-146256-4, Price=None, SnapEDA_Link=https://www.snapeda.com/parts/5-146256-4/TE%20Connectivity%20AMP%20Connectors/view-part/500529/?ref=snap
POWER: "Connector Header Through Hole 6 position 0.100 (2.54mm)", Package=None, Check_prices=https://www.snapeda.com/parts/5-146285-6/TE%20Connectivity%20AMP%20Connectors/view-part/2411669/?ref=eda, Digi-Key_Part_Number=A122872-ND, DigiKey-Purchase-URL=https://snapeda.com/shop?store=DigiKey&id=2411669, EU_RoHS_Compliance=Compliant, MF="TE Connectivity", MP=5-146285-6, SnapEDA_Link=https://www.snapeda.com/parts/5-146285-6/TE%20Connectivity%20AMP%20Connectors/view-part/2411669/?ref=snap
Power: "CON-SOCJ-2155\DC Power Connectors Power Jack/Connector 2.1mm x 5.5mm", Package=None, Availability=Unavailable, MP=CON-SOCJ-2155, Price=None
R1 R2 R3 R4 R5 R6 R7 R8 R9 R10 R11 R12 R13 R14 R15 R16 R17 R18 R21 R22 R30 R31 R35 R? R? R? R? R? R? R? R? R?: library part "Resistor 1206"
R25 R26 R27: library part "Resistor 0805"
RS: "1/1 Transceiver Full RS422, RS485 8-SOIC", Package="SOIC-8 Maxim", Availability=Unavailable, MF="Maxim Integrated", MP=MAX488ESA+T, Price=None, SnapEDA_Link=https://www.snapeda.com/parts/MAX488ESA+T/Maxim%20Integrated/view-part/48834/?ref=snap
S8050 S8050: "NPN Transistor, 2W output Ic = 1.5A", Package="TO-18-3 Solid State Inc.", Availability="In Stock", Check_prices=https://www.snapeda.com/parts/2N2222A/Solid+State+Inc/view-part/?ref=eda, MF="Solid State Inc.", MP=2N2222A, Price=None, Purchase-URL=https://pricing.snapeda.com/search/part/2N2222A/?ref=eda, SnapEDA_Link=https://www.snapeda.com/parts/2N2222A/Solid+State+Inc/view-part/?ref=snap
"Voltage Regulator 3.3V" "Voltage Regulator 5V": "TO-263-5/XL4015E1 5A 75W Adjustable DC/DC STEP DOWN CONVERTER Regulator IC SMD"
Y1: library part "Crystal 16MHZ"

## Free pads (board coordinates)
  round 177.17 hole 125.98 unplated: 1(0,0) 2(0,3149.61) 3(3374.01,3051.18) 4(3374.01,149.61)

## Via types
v1: diameter 24, hole 12, Top Layer to Bottom Layer, 250 vias

## Nets (pads, with @x,y where several pads share a name; then routed paths per layer and width w, separated by ;. In a path a pad name is that pad's centre, name@x,y a point inside that pad or via, vN(x,y) a via of type N, cw(c..) or ccw(c..) an arc to the next point about the centre after c; other vN are vias at no path point)
3.3V: J.20 POWER.4 | length 5762
  Bottom Layer w12: POWER.4@0,472.02 107.69,579.72 107.69,2269.18 397.68,2559.17 818.7,2559.17 881.69,2496.18 1922.69,2496.18 1935.69,2483.18 1972.69,2483.18 1985.69,2496.18 3307.69,2496.18 3322.69,2481.18 3322.69,1996.67 J.20@3282.01,1955.99
5V: J.10 POWER.5 | length 5467.5
  Bottom Layer w12: POWER.5@0,572.02 0,537.18 -38.31,498.87 -38.31,449.18 -23.31,434.18 86.69,434.18 129.69,477.18 129.69,1116.18 194.69,1181.18 194.69,2094.18 340.69,2240.18 1035.69,2240.18 1123.69,2152.18 1123.69,2064.18 1195.24,2064.18 1430.24,2299.18 1659.69,2299.18 1730.06,2228.81 1941.32,2228.81 2133.06,2420.55 3246.57,2420.55 J.10@3282.01,2455.99
9V: J.14 POWER.6 | length 6208.7
  Top Layer w12: v1(3169.69,109.18) 3169.69,2143.67 J.14@3282.01,2255.99
  Bottom Layer w12: POWER.6@0,672.02 -57.31,614.72 -57.31,258.18 -33.31,234.18 35.69,234.18 252.69,17.18 638.69,17.18 726.69,105.18 943.69,105.18 974.69,74.18 1241.69,74.18 1467.69,-151.82 1979.27,-151.82 2133.81,2.72 2771.23,2.72 2806.69,38.18 3098.69,38.18 v1(3169.69,109.18)
+3.3: "ESP PW.1" C?.2@1526,1948 C?.2@2346.07,381 ESP-WROOM32.2 R?.1@1327.59,507.13 R?.2@1678.16,1115.13 R?.2@2058.75,1105 | length 9079.4
  Top Layer w12: v1(190.63,808.18) ESP-WROOM32.2@190.63,1019.36 ; v1(1073,289) 1074.49,290.49 1103,290.49 1126.69,314.18 1126.69,368.04 1185.69,427.04 ; R?.1@1327.59,507.13 1327.59,476.18 1234.83,476.18 1185.69,427.04 ; v1(1485.69,1948.18) 1485.69,1953.18 1653.69,2121.18 1722.69,2121.18 1789.69,2188.18 v1(1789.69,2203.18) ; 2867,2112.49 2867,2144.87 2530.69,2481.18 2502.69,2481.18 2454.69,2433.18 2454.69,2095.18 2097.69,1738.18 2097.69,1670.18 2124.69,1643.18 2124.69,1103.18 v1(2078.69,1057.18) 2106.89,1028.99 2106.89,764 2091.89,749 2091.89,721.18 2105.89,707.18 2137.69,707.18 2193.69,651.18 v1(2193.69,381) 2193.69,253.18 2254.39,192.48 2254.39,119.88 2166.69,32.18 1886.69,32.18 1840.69,-13.82 1840.69,-78.82 1826.69,-92.82 1457.69,-92.82 1383.69,-18.82 1383.69,92.18 1326.69,149.18 1224.69,149.18 1185.69,188.18 1185.69,427.04
  Bottom Layer w12: v1(190.63,808.18) 190.63,581.28 319.72,452.18 778.69,452.18 854.43,376.44 854.43,293.1 862.35,285.18 1040.13,285.18 1043,288.05 1072.04,288.05 v1(1073,289) ; v1(1485.69,1948.18) 1526,1948.18 C?.2@1526,1948 ; R?.2@1678.16,1115.13 1678.16,1123.9 1712.9,1158.64 1791.23,1158.64 1831.04,1118.83 1989.02,1118.83 2002.86,1105 R?.2@2058.75,1105 2058.75,1071.18 2072.75,1057.18 v1(2078.69,1057.18) ; v1(1789.69,2203.18) 1792.69,2206.18 2573.69,2206.18 2617.69,2250.18 2886.69,2250.18 2904.69,2232.18 2904.69,2178.87 2867,2141.18 2867,2112.49 ; v1(2193.69,381) C?.2@2346.07,381
AREF: Atmega2560-AU.98 C5.2 | length 2524.7
  Top Layer w12: Atmega2560-AU.98@1417.15,1891.97 1417.15,1987.64 1579,2149.49 1579,2425.49 1697.69,2544.18 1984.69,2544.18 2078.69,2450.18 2078.69,1851.97 2040.69,1813.97 2040.69,1609.83 2046.49,1604.03 2046.49,1284.45 2031.98,1269.94 C5.2@2031.98,1138
"Bluetooth ON": "Bluetooth PW.1" "Bluetooth RST.1" HC-05.12 R22.1 | length 5777.5
  Top Layer w12: HC-05.12@804.59,1839 804.59,2175.08 v1(804.69,2175.18) ; 2894,421.98 2931.69,459.67 2931.69,708.31 2894,746 3023.69,875.69 v1(3023.69,1981.18)
  Bottom Layer w12: v1(804.69,2175.18) 973.69,2175.18 1027.69,2121.18 1027.69,2061.18 1082.69,2006.18 2067.03,2006.18 2188.03,2127.18 2560.69,2127.18 2706.69,1981.18 v1(3023.69,1981.18) ; R22.1@1607.13,605.59 1682.18,605.59 1700.15,587.62 1971.59,587.62 1974.59,584.62 2732.62,584.62 2894,746
CE: "NRF PH.6" Atmega2560-AU.18 | length 1703.5
  Top Layer w12: v1(969.69,2077.18) 969.69,2313.18 1034.69,2378.18 1034.69,2628.31 994,2669 ; v1(1241.69,1565) 1241.87,1564.82 1241.87,1529 1279.3,1491.58 Atmega2560-AU.18@1312.03,1491.58
  Bottom Layer w12: v1(969.69,2077.18) 812.69,1920.18 812.69,1766.18 989.69,1589.18 989.69,1541.18 1001.69,1529.18 1146.69,1529.18 1182.51,1565 v1(1241.69,1565)
CSN: "NRF PH.2" Atmega2560-AU.19 | length 1840.8
  Top Layer w12: 894,2669 935.18,2710.18 1251.69,2710.18 1288,2673.87 1288,2026.49 1178.69,1917.18 v1(1178.69,1642.18) ; v1(1216.87,1536) 1219.17,1533.7 1219.17,1517.81 1265.09,1471.89 Atmega2560-AU.19@1312.03,1471.89
  Bottom Layer w12: v1(1178.69,1642.18) 1180.99,1639.89 1219.91,1639.89 1235.74,1624.06 1236.94,1624.06 1266.69,1594.31 1266.69,1551.69 1252.87,1537.88 1218.75,1537.88 v1(1216.87,1536)
CTS: FTDI232RL.11
DTR: FTDI232RL.2 FTDI.7 R?.1@2460,1479 S8050.1@611,564 | length 3521.6
  Top Layer w12: v1(2161,1670) 2161.85,1669.15 2161.85,1604.03 v1(2162.69,1603.18) v1(2162.69,986.18) ; v1(2460,1431.18) 2822.82,1794 FTDI.7@2867,1794
  Bottom Layer w12: S8050.1@611,564 793.63,746.63 895.14,746.63 930.51,782 1347.16,782 1360.34,795.18 1437.05,795.18 1443.05,789.18 1508.69,789.18 1652.69,933.18 1892,933.18 1938.82,980 2156.51,980 v1(2162.69,986.18) ; FTDI232RL.2@2041.83,1680.75 2147,1680.75 2157.75,1670 v1(2161,1670) ; v1(2162.69,1603.18) 2162.69,1597.37 2383.81,1597.37 2460,1521.18 R?.1@2460,1479 v1(2460,1431.18)
DTRR: C4.2 FTDI.8 | length 2437.4
  Bottom Layer w12: C4.2@1085.16,2108.13 1085.16,2045.18 1203,2035.18 1238,2070.18 1484.69,2070.18 1529.69,2025.18 2058.69,2025.18 2184.69,2151.18 2709.69,2151.18 2798.69,2062.18 3006.69,2062.18 3048.69,2020.18 3048.69,1957.18 2985.51,1894 FTDI.8@2867,1894
EN: C?.2@1055,1663 ESP-WROOM32.3 R?.1@1754.41,1115.13 R?.2@918.75,1900 S8050.3@317,764 | length 2977.4
  Top Layer w12: ESP-WROOM32.3@240.63,1019.36 240.63,840.37 S8050.3@317,764 ; v1(1014.69,913.18) v1(1014.69,984.18) v1(1014.69,1554.18)
  Bottom Layer w12: S8050.3@317,764 345.18,792.18 893.69,792.18 v1(1014.69,913.18) ; R?.2@918.75,1900 918.75,1701.77 957.52,1663 C?.2@1055,1663 1055,1634.49 1014.69,1594.18 v1(1014.69,1554.18) ; v1(1014.69,984.18) 1417.51,984.18 1464.51,1031.18 1704.41,1031.18 1754.41,1081.18 R?.1@1754.41,1115.13
ESPRX: ESP-WROOM32.34 R?.2@970.16,1177.13 | length 1769.1
  Top Layer w12: v1(294.69,1214.18) 294.69,1456.24 340.63,1502.18 ESP-WROOM32.34@340.63,1688.65
  Bottom Layer w12: v1(294.69,1214.18) 598.69,1214.18 613.69,1229.18 756.69,1229.18 774.69,1211.18 774.69,1174 761.87,1174 748.63,1160.76 748.63,1124.24 776.72,1096.15 776.72,1083.21 758.69,1065.18 758.69,1033.69 675.15,950.15 675.15,940.21 682.18,933.18 718.92,933.18 737.1,915 750.51,915 970.16,1134.65 R?.2@970.16,1177.13
ESPTX: ESP-WROOM32.35 R?.2@1097.16,1419.13 | length 1061.9
  Top Layer w12: v1(290.63,1604.18) ESP-WROOM32.35@290.63,1688.65
  Bottom Layer w12: v1(290.63,1604.18) 563.63,1331.18 1045.69,1331.18 1097.16,1382.65 R?.2@1097.16,1419.13
FTDI3.3V: C71.1 FTDI232RL.17 | length 2290.9
  Top Layer w12: v1(1985.69,-66.82) 2008.53,-89.66 2233.85,-89.66 2284.69,-38.82 2284.69,227.18 2252.69,259.18 2252.69,1282.18 v1(2232.69,1302.18)
  Bottom Layer w12: FTDI232RL.17@1770.17,1424.84 1834.69,1424.84 1939.35,1320.18 2214.69,1320.18 v1(2232.69,1302.18) ; C71.1@1972,13 1972,-53.13 v1(1985.69,-66.82)
FTRXD: FTDI232RL.5 FTDI.5 | length 849.4
  Bottom Layer w12: FTDI232RL.5@2041.83,1603.98 2113.49,1603.98 2137.69,1628.18 2214.88,1628.18 2226.69,1616.37 2844.63,1616.37 FTDI.5@2867,1594
FTTXD: FTDI232RL.1 FTDI.2 | length 3307.7
  Top Layer w12: v1(2122.69,1706.18) 2122.69,1726.18 2231.69,1835.18 2406.69,1835.18 2419.2,1822.68 2401.69,1805.17 2401.69,527.29 2328.69,454.29 2328.69,301.18 2341.69,288.18 2442.69,288.18 2682.69,528.18 2682.69,1109.69 FTDI.2@2867,1294
  Bottom Layer w12: FTDI232RL.1@2041.83,1706.34 2122.53,1706.34 v1(2122.69,1706.18)
G: "3.3V P.2" "5V P.2" "9V P.2" "NRF PH.5" "Voltage Regulator 3.3V.1" "Voltage Regulator 5V.1" "Voltage-Current Sensor.1" "Voltage-Current Sensor.4" Atmega2560-AU.11 Atmega2560-AU.32 Atmega2560-AU.62 Atmega2560-AU.81 Atmega2560-AU.99 Bluetooth.2 C5.1 C6.1 C7.1 C8.2 C9.N C10.2 C11.N C12.2 C14.N C15.2 C16.N C17.2 C70.1 C71.2 C?.1 D3.A D5.A ESP-EN.1 ESP-IO0.1 ESP-WROOM32.1 ESP-WROOM32.15 ESP-WROOM32.38 ESP-WROOM32.39_1 ESP-WROOM32.39_2 ESP-WROOM32.39_3 ESP-WROOM32.39_4 ESP-WROOM32.39_5 ESP-WROOM32.39_6 ESP-WROOM32.39_7 ESP-WROOM32.39_8 ESP-WROOM32.39_9 ESP-WROOM32.39_10 ESP-WROOM32.39_11 ESP-WROOM32.39_12 ESP-WROOM32.39_13 ESP-WROOM32.39_14 ESP-WROOM32.39_15 ESP-WROOM32.39_16 ESP-WROOM32.39_17 ESP-WROOM32.39_18 ESP-WROOM32.39_19 ESP-WROOM32.39_20 ESP-WROOM32.39_21 ESP.2 FTDI232RL.7 FTDI232RL.18 FTDI232RL.21 FTDI232RL.25 FTDI232RL.26 HC-05.13 HC-05.21 HC-05.22 J.11 J.12 J.15 J.16 J.29 J.30 J.31 J.32 J.45 J.46 J.50 J.52 J?.5 LED1.2 LED2.2 LED3.2 LED4.2 LM35.3 NRF.2 Power.1 Power.3 R11.1 R18.1 R27.1 R35.1 RS.4 RST.1 | length 5278.6
  Top Layer w12: ESP-WROOM32.1@140.63,1019.36 140.63,1089.63 v1(222,1171) ; ESP-WROOM32.38@140.63,1688.65 v1(140.63,1745.02) ; v1(320.48,1242.39) ESP-WROOM32.39_1@363.66,1242.39 363.66,1211.18 373.66,1201.18 394.7,1201.18 ESP-WROOM32.39_4@435.9,1242.39 ; v1(320.48,1314.63) ESP-WROOM32.39_2@363.66,1314.63 ; v1(320.48,1386.87) ESP-WROOM32.39_3@363.66,1386.87 ESP-WROOM32.39_14@399.78,1386.87 410.21,1386.87 435.9,1361.18 ESP-WROOM32.39_16@435.9,1350.75 ESP-WROOM32.39_5@435.9,1314.63 ESP-WROOM32.39_5@448.46,1327.18 ; ESP-WROOM32.39_6@435.9,1386.87 ESP-WROOM32.39_6@448.69,1374.09 ; ESP-WROOM32.39_7@508.15,1242.39 520.69,1254.93 520.69,1302.09 ESP-WROOM32.39_8@508.15,1314.63 495.6,1327.18 ESP-WROOM32.39_5@448.46,1327.18 ; ESP-WROOM32.39_9@508.15,1386.87 472.03,1350.75 ESP-WROOM32.39_6@448.69,1374.09 ; v1(671.14,340.75) 722,340.75 ; v1(704,1142) 767.63,1142 775.92,1133.7 825.3,1133.7 ESP-WROOM32.15@830,1129 ; HC-05.13@863.64,1839 v1(863.64,1881.59) ; HC-05.22@863.64,2339 v1(863.64,2381.59) ; v1(880.11,2295.69) HC-05.21@922.7,2295.69 ; 902.14,344 v1(953,344) ; v1(1024.69,310.18) 1027.63,310.18 1061.45,344 1076.01,344 ; v1(1034,-75) 1034,-71.75 1046.41,-59.34 1046.41,-52.41 1054.9,-43.93 1056.07,-43.93 1069.46,-30.54 J?.5@1069.46,9.73 ; ESP-EN.1@1183,2080.6 1221.65,2041.95 v1(1263,2041.95) ; Bluetooth.2@1275.14,340.75 v1(1326,340.75) ; Atmega2560-AU.11@1312.03,1629.37 v1(1361.19,1629.37) ; Atmega2560-AU.99@1397.46,1891.97 1397.95,1891.48 1397.95,1854.58 v1(1421,1831.54) ; v1(1417.15,2044.95) ESP-IO0.1@1417.15,2083.6 ; v1(1430.28,384) 1430.28,360.41 1446.69,344 NRF.2@1481.14,344 ; 1456.52,2648.06 v1(1456.52,2735.93) ; v1(1475.89,1202.09) 1495.89,1222.09 Atmega2560-AU.32@1495.89,1288.03 ; C6.1@1520.59,1136.13 1520.59,1101.18 1533.15,1088.62 v1(1540.59,1088.62) ; C17.2@1612.67,658.18 1612.67,721.18 1642.09,750.6 v1(1644.69,750.6) ; v1(1618.05,2050.18) 1618.84,2050.98 1645.53,2050.98 RST.1@1678.16,2083.6 ; LED1.2@1642.05,64.96 1713.79,64.96 1718.83,70 1718.83,99.83 v1(1719,100) 1721.3,97.7 1741.83,97.7 1774.57,64.96 LED2.2@1789.14,64.96 ; Atmega2560-AU.81@1751.79,1891.97 1752.28,1891.48 1752.28,1855.72 v1(1779,1829) ; v1(1874.28,84.96) 1874.28,77.37 1886.69,64.96 LED3.2@1925.14,64.96 ; Atmega2560-AU.62@1915.97,1570.32 1961.91,1570.32 1969.26,1562.96 v1(1969.26,1518.84) ; v1(1964.02,1093.83) C5.1@1964.02,1138 ; v1(2007.14,64.96) LED4.2@2078,64.96 ; ESP.2@2024.14,340.75 2075,340.75 2095,360.75 v1(2115,360.75) ; 2354.14,2648.06 v1(2354.14,2735.93) ; v1(3268.98,-57.17) C15.2@3268.98,-13 ; ESP-WROOM32.39_5@448.46,1327.18 448.69,1327.42 ESP-WROOM32.39_6@448.69,1374.09
  Bottom Layer w12: D3.A@207,1087.25 207,1152.75 222,1167.75 v1(222,1171) ; v1(704,1142) 722,1124 C?.1@722,1087 ; 1112,-85 1112,-118.82 1140,-146.82 1234,-146.82 1262,-118.82 1262,-24.25 1270,-16.25 v1(1270,-13) ; C?.1@1121.93,1663 1134,1675.07 v1(1134,1740) ; v1(1211.41,253.62) R18.1@1211.41,301.13 ; R11.1@1232.32,636.13 1232.32,668.62 v1(1272.32,668.62) ; v1(1392.69,1526.02) 1392.69,1523.33 R27.1@1410,1506.02 ; R35.1@1408.41,1312.13 1408.41,1356.18 1446.07,1356.18 v1(1508.41,1418.52) ; C7.1@1506.41,264.13 1509.01,261.53 1509.01,218.42 v1(1536.89,190.54) ; v1(1523,23.83) 1563,63.83 C?.1@1563,88 ; D5.A@1534,2408.25 v1(1534,2471.12) ; C8.2@1538.02,1321 1538.02,1351.18 1552.01,1365.17 v1(1558.02,1365.17) ; C?.1@1592.93,1948 1594.93,1950 v1(1661,1950) ; v1(1691.83,1450.43) FTDI232RL.18@1770.17,1450.43 ; v1(1710.02,848.83) C10.2@1710.02,893 ; v1(1711.83,1635.16) 1711.83,1641.18 1725.81,1655.16 FTDI232RL.26@1770.17,1655.16 ; FTDI232RL.21@1770.17,1527.21 1824.79,1527.21 v1(1842,1510) ; FTDI232RL.25@1770.17,1629.57 1816.9,1629.57 1828.51,1641.18 v1(1828.51,1649.57) ; C12.2@1778.72,526.18 1778.72,482.02 v1(1798.72,482.02) ; C71.2@1904.05,13 1904.05,-54.78 1954.69,-105.42 v1(1934.69,-105.42) ; v1(1969.26,1518.84) 1998.5,1548.08 2002.63,1548.08 2007.35,1552.8 FTDI232RL.7@2041.83,1552.8 ; v1(2248.83,2032.02) 2248.83,2012.02 C70.1@2293,2012.02 ; C?.1@2350,924 2350,891.18 2361.35,879.83 v1(2370,879.83) ; C?.1@2413,381 2436.69,381 2453.62,364.07 v1(2453.62,361) ; v1(2597.98,891.83) C?.1@2597.98,936 ; v1(2683.98,1457.83) C?.1@2683.98,1502 ; RS.4@3045,13 3119.07,13 v1(3129.26,23.18)
IO0: C?.2@655.07,1087 ESP-WROOM32.25 R?.1@2135,1105 R?.2@1237,1882 S8050.3@611,764 | length 3644.3
  Top Layer w12: v1(597.82,1104) 597.82,1536.31 687.17,1625.66 690.23,1628.72 694.54,1629.12 790.63,1638.12 ESP-WROOM32.25@790.63,1688.65 790.63,1742.12 v1(837.69,1789.18) ; v1(613.69,942.18) 613.69,824.87 ; 613.69,824.87 S8050.3@611,764 611,822.18 613.69,824.87
  Bottom Layer w12: v1(597.82,1104) 597.82,1102.63 613.45,1087 C?.2@655.07,1087 655.07,983.56 v1(613.69,942.18) 647.69,908.18 684.34,908.18 690.34,914.18 711.05,914.18 729.23,896 762.51,896 806.69,940.18 1194.69,940.18 1219.69,915.18 1279.69,915.18 1303.69,939.18 1426.69,939.18 1498.69,1011.18 1744.69,1011.18 1782.69,1049.18 1970.13,1049.18 2001.13,1018.18 2091,1018.18 2135,1062.18 R?.1@2135,1105 ; v1(837.69,1789.18) 837.69,1895.18 886.69,1944.18 955.69,1944.18 955.69,1856.18 1183.79,1856.18 1184.29,1856.68 1237,1856.68 R?.2@1237,1882
MISO: "NRF PH.8" Atmega2560-AU.22 BURN.1 | length 3777.6
  Top Layer w12: v1(323.69,2006.18) 323.69,2071.18 121.69,2273.18 121.69,2922.69 BURN.1@437,3238 ; v1(1219.04,1375.18) 1256.69,1412.84 Atmega2560-AU.22@1312.03,1412.84
  Bottom Layer w12: v1(323.69,2006.18) 258.69,1941.18 258.69,1661.18 283.69,1636.18 338.69,1636.18 454.69,1520.18 752.69,1520.18 822.69,1450.18 1014.69,1450.18 1027.69,1463.18 1134.69,1463.18 1134.69,1375.18 v1(1219.04,1375.18) ; BURN.1@437,3238 616.82,3058.18 804.82,3058.18 994,2869
MOSI: "NRF PH.3" Atmega2560-AU.21 BURN.2 | length 2839.9
  Top Layer w12: BURN.2@537,3238 582.18,3283.18 931.69,3283.18 934.69,3280.18 934.69,2810.18 ; v1(1250,1754) 1250,1951.25 1307,2008.25 1307,2735.87 1232.69,2810.18 934.69,2810.18 ; Atmega2560-AU.21@1312.03,1432.52 v1(1357.69,1432.53) ; 934.69,2810.18 934.69,2809.69 894,2769 934.69,2810.18
  Bottom Layer w12: v1(1250,1754) 1251.89,1754 1272.16,1733.73 1296.14,1733.73 1308.76,1721.12 1308.76,1480.09 1356.32,1432.53 v1(1357.69,1432.53)
NC: FTDI232RL.8 FTDI232RL.24 | length 909
  Top Layer w12: v1(2251.69,1533.18) v1(2251.69,1642.18)
  Bottom Layer w12: FTDI232RL.24@1770.17,1603.98 1839.69,1603.98 1986.9,1751.18 2134.69,1751.18 2243.69,1642.18 v1(2251.69,1642.18) ; FTDI232RL.8@2041.83,1527.21 2245.72,1527.21 v1(2251.69,1533.18)
"Net3.3V P_1": "3.3V P.1" R10.2 | length 1339.8
  Top Layer w12: v1(1042.69,181.37) 1042.69,229.04 1076.01,229.04
  Bottom Layer w12: v1(1042.69,181.37) 1291.5,181.37 1474.69,-1.82 1821.69,-1.82 1880.69,57.18 1946.69,57.18 2006.3,116.79 2006.3,182.62 2004.16,184.76 R10.2@2004.16,286.13
"Net5V P_1": "5V P.1" R9.2 | length 3374.2
  Top Layer w12: v1(902.09,60.72) 902.09,176.18 934.69,208.78 934.69,229.04 902.14,229.04 ; R9.2@2893.84,107.13 2893.84,221.33 v1(2901.69,229.18)
  Bottom Layer w12: v1(902.09,60.72) 902.09,-2.09 1079.21,-179.21 2073.6,-179.21 2229,-23.82 3125.69,-23.82 3230.26,80.75 3230.26,204.38 3205.45,229.18 v1(2901.69,229.18)